# Altium PCB PCB.PcbDoc (part 3 of 7)
Units mil, origin at the board's own origin, x right, y up, seen from the top; angles counter-clockwise.
Board outline 3937.01 x 2165.35 mil, 6 copper layers (Top, PWR, Signal 1, Signal 2, GND, Bottom), stack 64.961 mil thick; 271 components, 335 nets, 1191 pads, 518 vias.
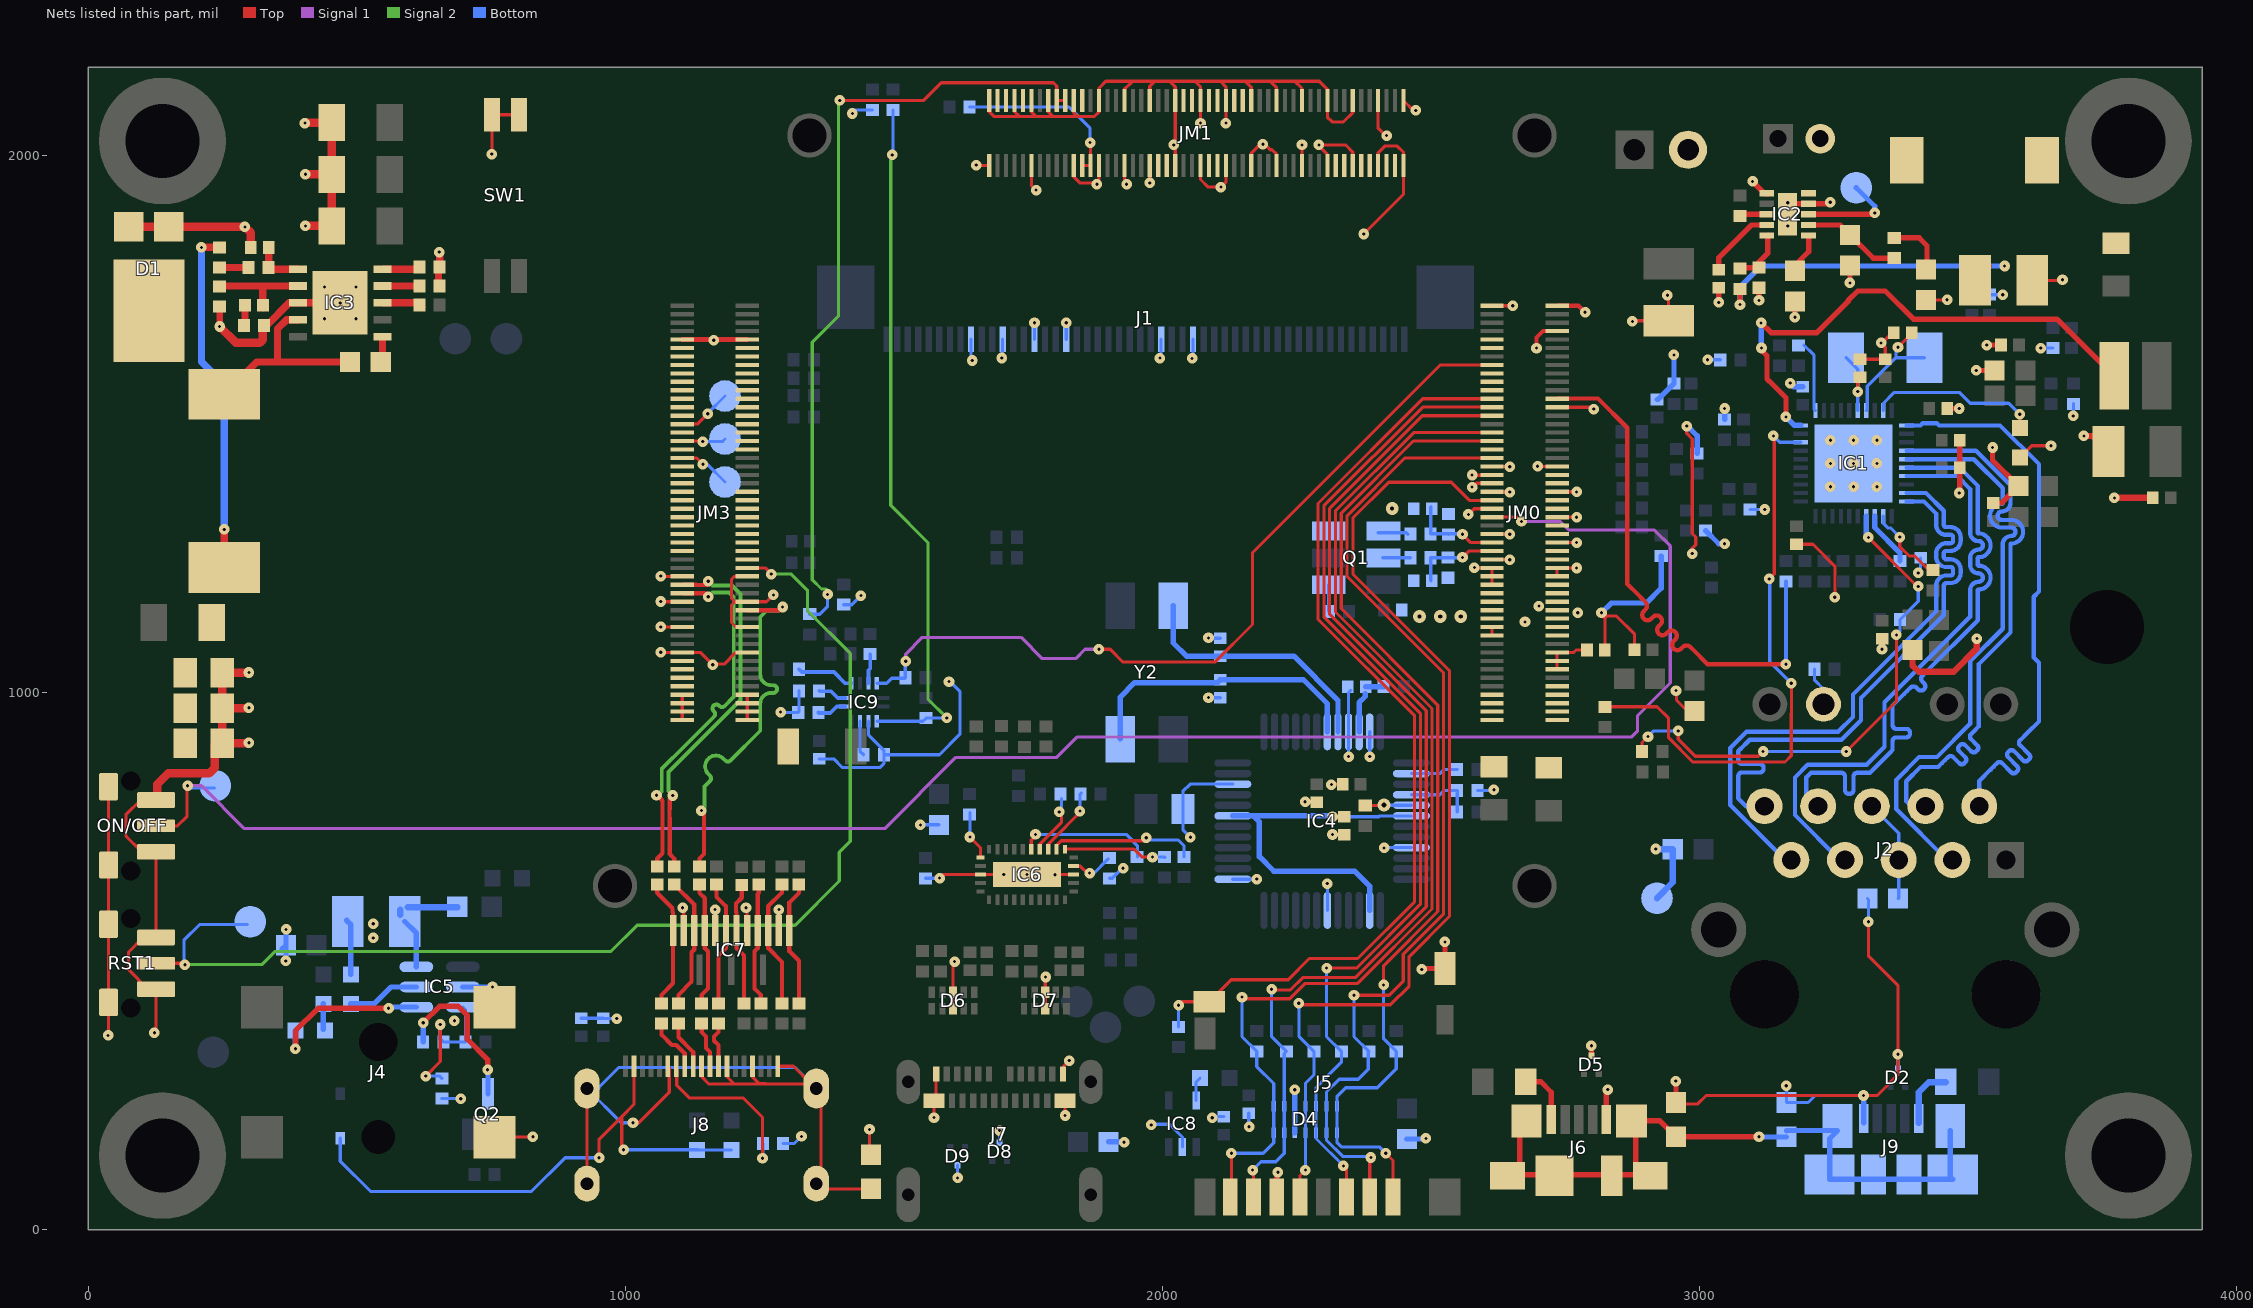
[diagram p7: the nets of this part, all layers, seen from the top]

## Via types
v1: diameter 19.68, hole 5.91, Top to Bottom, tented both sides, 378 vias
v2: diameter 19.68, hole 5.91, Top to Bottom, 128 vias
v3: diameter 23.62, hole 9.84, Top to Bottom, 7 vias
v4: diameter 23.62, hole 7.87, Top to Bottom, 5 vias

## Nets (pads, with @x,y where several pads share a name; then routed paths per layer and width w, separated by ;. In a path a pad name is that pad's centre, name@x,y a point inside that pad or via, vN(x,y) a via of type N, cw(c..) or ccw(c..) an arc to the next point about the centre after c; other vN are vias at no path point) (continued)
ENET_TRD0_P: IC1.1 J2.2 | length 1108
  Bottom w7.87: IC1.1@3385.89,1497.93 3412.11,1497.93 3416.12,1501.94 3442.28,1501.94 3446.29,1497.93 3560.38,1497.93 3632.61,1425.69 3632.61,1188.3 3623.03,1178.72 3623.03,1065.38 3632.61,1055.8 3632.61,946.59 3611.86,925.84 3597.3,911.28 ccw(c3601.76,906.83) 3597.3,902.37 3614.55,885.13 cw(c3610.09,880.67) 3614.55,876.22 3612.32,873.99 cw(c3607.87,878.45) 3603.41,873.99 3586.17,891.24 ccw(c3581.71,886.78) 3577.26,891.24 3575.03,889.01 ccw(c3579.49,884.56) 3575.03,880.1 3592.28,862.86 cw(c3587.82,858.4) 3592.28,853.95 3590.05,851.72 cw(c3585.6,856.17) 3581.14,851.72 3563.9,868.97 ccw(c3559.44,864.51) 3554.99,868.97 3548.31,862.28 3542.74,856.72 3521.46,835.43 J2.2@3521.46,788.58 J2.2@3521.46,777.92
ENET_TRD1_N: IC1.5 J2.3 | length 1106.2
  Bottom w7.87: IC1.5@3385.89,1434.93 3511.33,1434.93 3565.26,1381 3565.26,1353.42 cw(c3563.78,1353.42) 3563.78,1351.94 ccw(c3563.78,1329.8) 3563.78,1307.66 3581.01,1307.66 cw(c3581.01,1299.79) 3588.88,1299.79 cw(c3581.01,1299.79) 3581.01,1291.92 ccw(c3581.01,1276.17) 3565.26,1276.17 3565.26,1119.19 3504.61,1058.54 3504.61,996.19 3504.61,942.11 3442.61,880.11 3409.52,880.11 3366.81,837.4 3366.81,783.38 3461.6,688.58 J2.3@3471.46,688.58
ENET_TRD1_P: IC1.4 J2.4 | length 1106.2
  Bottom w7.87: IC1.4@3385.89,1450.68 3515.18,1450.68 3579.52,1386.33 3579.52,1353.42 cw(c3563.78,1353.42) 3563.78,1337.68 ccw(c3563.78,1329.8) 3563.78,1321.93 3581.01,1321.93 cw(c3581.01,1299.79) 3603.15,1299.79 cw(c3581.01,1299.79) 3581.01,1277.65 ccw(c3581.01,1276.17) 3579.52,1276.17 3579.52,1112.47 3520.76,1053.71 3520.76,996.19 3520.43,995.86 3520.43,936.95 3511.35,927.86 3506.1,922.62 ccw(c3510.55,918.16) 3506.1,913.71 3517.9,901.91 cw(c3513.45,897.45) 3517.9,893 3515.67,890.77 cw(c3511.22,895.23) 3506.77,890.77 3494.96,902.57 ccw(c3490.51,898.12) 3486.06,902.57 3483.83,900.35 ccw(c3488.28,895.89) 3483.83,891.44 3495.63,879.64 cw(c3491.18,875.18) 3495.63,870.73 3493.4,868.5 cw(c3488.95,872.95) 3484.49,868.5 3472.69,880.3 ccw(c3468.24,875.85) 3463.79,880.3 3457.1,873.62 3451.54,868.05 3444.98,861.5 3411.9,861.5 3385.42,835.03 3385.42,798.03 J2.4@3394.87,788.58 ; J2.4@3395.57,787.88 J2.4@3394.87,788.58 ; J2.4@3421.46,788.58 J2.4@3394.87,788.58
ENET_TRD2_N: IC1.7 J2.7 | length 1117.6
  Bottom w7.87: J2.7@3271.46,688.58 3261.6,688.58 3178.15,772.04 3178.15,842.16 3201.88,865.89 3311.8,865.89 3345.27,899.37 3345.27,943.85 3345.27,982.28 3504.61,1141.61 3504.61,1190.85 cw(c3520.35,1190.85) 3520.35,1206.59 ccw(c3520.35,1214.47) 3528.23,1214.47 ccw(c3520.35,1214.47) 3520.35,1222.34 cw(c3520.35,1238.09) 3504.61,1238.09 3504.61,1250.87 cw(c3520.35,1250.87) 3520.35,1266.62 ccw(c3520.35,1274.5) 3528.23,1274.5 ccw(c3520.35,1274.5) 3520.35,1282.37 cw(c3520.35,1298.12) 3504.61,1298.12 3504.61,1379.67 3480.83,1403.44 IC1.7@3385.89,1403.44
ENET_TRD2_P: IC1.6 J2.8 | length 1117.6
  Bottom w7.87: J2.8@3199.39,810.65 3199.39,842.4 3208.03,851.05 3247.88,851.05 3255.75,851.05 3264.41,851.05 cw(c3264.41,843.96) 3271.5,843.96 3271.5,818.76 ccw(c3278.59,818.76) 3278.59,811.68 3280.16,811.68 ccw(c3280.16,818.76) 3287.25,818.76 3287.25,843.96 cw(c3294.33,843.96) 3294.33,851.05 3302.99,851.05 3317.94,851.05 3323.51,856.62 3334.65,867.75 3345.78,878.89 3356.92,890.02 3360.12,893.22 3360.12,901.09 3360.12,909.75 cw(c3367.2,909.75) 3367.2,916.84 3385.41,916.84 ccw(c3385.41,923.93) 3392.5,923.93 3392.5,925.5 ccw(c3385.41,925.5) 3385.41,932.59 3367.2,932.59 cw(c3367.2,939.68) 3360.12,939.68 3360.12,943.85 3360.12,976.13 3382.27,998.28 3387.84,1003.85 3393.41,1009.42 cw(c3398.97,1003.85) 3404.54,1009.42 3407.48,1006.48 ccw(c3413.05,1012.05) 3418.62,1006.48 ccw(c3413.05,1012.05) 3418.62,1017.61 3415.68,1020.55 cw(c3421.24,1026.12) 3415.68,1031.69 3422.65,1038.66 3518.87,1134.88 3518.87,1190.85 cw(c3520.35,1190.85) 3520.35,1192.33 ccw(c3520.35,1214.47) 3542.49,1214.47 ccw(c3520.35,1214.47) 3520.35,1236.61 cw(c3520.35,1238.09) 3518.87,1238.09 3518.87,1250.87 cw(c3520.35,1250.87) 3520.35,1252.36 ccw(c3520.35,1274.5) 3542.49,1274.5 ccw(c3520.35,1274.5) 3520.35,1296.63 cw(c3520.35,1298.12) 3518.87,1298.12 3518.87,1385 3484.68,1419.19 IC1.6@3385.89,1419.19
ENET_TRD3_N: IC1.10 J2.9 | length 1107.3
  Bottom w7.87: J2.9@3171.46,688.58 3160.21,688.58 3057.84,790.96 3057.84,897.29 3087.84,927.29 3258.72,927.29 3286.32,954.9 3286.32,996.64 3441.24,1151.57 3441.24,1199.29 cw(c3460.38,1199.29) 3460.38,1218.43 3467.86,1218.43 ccw(c3467.86,1223.3) 3472.74,1223.3 3472.74,1229.3 ccw(c3467.86,1229.3) 3467.86,1234.18 3460.38,1234.18 cw(c3460.38,1253.31) 3441.24,1253.31 3441.24,1259.32 cw(c3460.38,1259.32) 3460.38,1278.46 3467.86,1278.46 ccw(c3467.86,1283.33) 3472.74,1283.33 3472.74,1289.33 ccw(c3467.86,1289.33) 3467.86,1294.2 3459.66,1294.2 cw(c3459.66,1312.63) 3441.24,1312.63 3441.24,1333.47 3418.51,1356.19 IC1.10@3385.89,1356.19
ENET_TRD3_P: IC1.9 J2.10 | length 1104.7
  Bottom w7.87: 3074.76,893.22 3093.99,912.45 3264.86,912.45 3301.16,948.75 3301.16,990.49 3455.51,1144.84 3455.51,1199.29 cw(c3460.38,1199.29) 3460.38,1204.16 3467.86,1204.16 ccw(c3467.86,1223.3) 3487,1223.3 3487,1229.3 ccw(c3467.86,1229.3) 3467.86,1248.44 3460.38,1248.44 cw(c3460.38,1253.31) 3455.51,1253.31 3455.51,1259.32 cw(c3460.38,1259.32) 3460.38,1264.19 3467.86,1264.19 ccw(c3467.86,1283.33) 3487,1283.33 3487,1289.33 ccw(c3467.86,1289.33) 3467.86,1308.47 3459.66,1308.47 cw(c3459.66,1312.63) 3455.51,1312.63 3455.51,1338.8 3422.36,1371.94 IC1.9@3385.89,1371.94 ; 3078.25,896.71 3072.68,891.14 3072.68,883.05 3072.68,874.39 ccw(c3079.77,874.39) 3079.77,867.3 3112.84,867.3 cw(c3112.84,860.21) 3119.92,860.21 3119.92,858.64 cw(c3112.84,858.64) 3112.84,851.55 3079.77,851.55 ccw(c3079.77,844.47) 3072.68,844.47 3072.68,835.8 3072.68,827.93 3072.68,803.3 3087.39,788.58 J2.10@3121.46,788.58
ENET_TXC: JM0.23 R27.1 | length 1049.7
  Top w7.87: JM0.23@2735.36,1547.48 2735.75,1547.88 2811.62,1547.88 2865.95,1493.54 2865.95,1202.63 2885.87,1182.71 2892.83,1175.75 2899.79,1168.79 cw(c2892.83,1161.83) 2899.79,1154.87 2896.69,1151.78 ccw(c2903.65,1144.82) 2896.69,1137.86 ccw(c2903.65,1144.82) 2910.61,1137.86 2913.71,1140.95 cw(c2920.67,1134) 2927.63,1140.95 cw(c2920.67,1134) 2927.63,1127.04 2924.53,1123.94 ccw(c2931.49,1116.98) 2924.53,1110.02 ccw(c2931.49,1116.98) 2938.45,1110.02 2941.55,1113.12 cw(c2948.51,1106.16) 2955.47,1113.12 cw(c2948.51,1106.16) 2955.47,1099.2 2952.37,1096.1 ccw(c2959.33,1089.14) 2952.37,1082.18 ccw(c2959.33,1089.14) 2966.29,1082.18 2969.38,1085.28 cw(c2976.34,1078.32) 2983.3,1085.28 2987.19,1081.39 3015.54,1053.04 v1(3161.48,1053.04)
  Bottom w7.87: v1(3161.48,1053.04) R27.1@3161.48,1207.38
FTDI_RST: IC4.4 R86.1 R87.2 | length 128.7
  Bottom w5.91: IC4.4@2463.95,810.07 2517.05,810.07 2525.03,818.05 R87.2@2549.16,818.05 R86.1@2549.16,777.9
GND: C1.1 C2.1 C3.1 C4.1 C5.1 C6.1 C7.1 C8.1 C9.1 C10.1 C11.1 C12.1 C13.2 C14.1 C15.1 C16.1 C17.1 C18.1 C19.1 C20.1 C21.1 C22.1 C23.2 C24.1 C25.1 C27.1 C28.1 C29.1 C30.1 C31.1 C32.1 C33.1 C34.1 C35.1 C36.1 C37.1 C38.2 C39.2 C40.2 C41.1 C42.1 C43.2 C44.2 C45.2 C65.1 C66.1 C67.1 C68.1 C75.1 C76.1 C77.1 C78.1 C79.1 C80.1 C81.1 C82.1 C83.1 C86.2 D1.A D2.3 D4.5 D4.10 D5.3 D6.3 D6.8 D7.3 D7.8 D8.3 D9.3 FAN1.2 FAN2.2 IC1.41 IC2.1 IC2.9 IC2.11 IC3.8 IC3.11 IC4.9 IC4.18 IC4.25 IC4.34 IC4.45 IC4.47 IC5.2 IC6.13 IC6.28 IC6.31 IC7.2 IC7.5 IC7.8 IC7.11 IC8.2 IC9.10 J1.9 J1.12 J1.15 J1.18 J1.27 J1.30 J4.2 J4.3 J5.6 J5.10 J6.5 J7.A1 J7.A12 J7.B1 J7.B12 J9.5 JM0.1 JM0.2 JM0.7 JM0.25 JM0.39 JM0.40 JM0.42 JM0.44 JM0.45 JM0.46 JM0.50 JM0.51 JM0.56 JM0.57 JM0.62 JM0.63 JM0.64 JM0.65 JM0.66 JM0.67 JM0.68 JM0.69 JM0.70 JM0.71 JM0.72 JM0.73 JM0.74 JM0.75 JM0.76 JM0.77 JM0.78 JM0.80 JM1.1 JM1.2 JM1.7 JM1.8 JM1.13 JM1.14 JM1.19 JM1.20 JM1.25 JM1.26 JM1.31 JM1.32 JM1.37 JM1.38 JM1.43 JM1.44 JM1.49 JM1.50 JM1.55 JM1.56 JM1.61 JM1.62 JM1.67 JM1.68 JM1.73 JM1.74 JM1.79 JM1.80 JM1.86 JM1.89 JM1.90 JM1.94 JM1.99 JM1.100 JM3.9 JM3.10 JM3.65 JM3.66 JM3.71 JM3.72 JM3.77 JM3.78 JM3.83 JM3.84 L9.2 L12.2 L13.2 ON/OFF.1 ON/OFF.3 ON/OFF.SH1 ON/OFF.SH2 Q1.3 R10.1 R11.1 R12.1 R13.1 R14.1 R20.1 R21.1 R22.1 R23.1 R24.1 R37.2 R55.1 R57.2 R73.1 R83.1 R84.1 R87.1 R96.1 R105.1 R106.1 R114.1 R115.1 R116.1 R120.1 R124.1 R125.1 R127.1 RST1.1 RST1.3 RST1.SH1 RST1.SH2 SW1.2 SW1.4 TP5.1 | length 13704.5
  Top w5.91: v1(36.53,361.69) 37.4,362.56 RST1.SH2@37.4,423.23 RST1.SH1@37.4,568.9 ON/OFF.SH2@37.4,679.13 37.4,812.52 ON/OFF.SH1@45.58,820.7 ; v1@125.98,365.55 RST1.1@125.98,447.83 110.69,447.83 74.67,483.86 74.67,517.22 101.74,544.29 RST1.3@125.98,544.29 ON/OFF.1@125.98,703.74 98.96,703.74 69.63,733.07 69.63,772.72 97.11,800.2 ON/OFF.3@125.98,800.2 ; 417.08,1726.02 v1(468.83,1726.02) ; v1(750.98,2003.21) 751.58,2003.8 SW1.4@751.58,2076.33 SW1.2@801.58,2076.33 ; J4.2@756.22,172.28 826.92,172.28 v1(827.68,173.05) ; v2(1065.81,1075.44) 1066.21,1075.04 JM3.84@1105.83,1075.04 1139.66,1075.04 v2(1162.57,1052.13) 1163.73,1053.3 1184.15,1053.3 1205.89,1075.04 JM3.83@1227.09,1075.04 ; v2(1065.81,1122.68) 1066.21,1122.28 JM3.78@1105.83,1122.28 ; v2(1065.81,1169.93) 1066.21,1169.53 JM3.72@1105.83,1169.53 ; v2(1065.81,1217.17) 1066.21,1216.77 JM3.66@1105.83,1216.77 ; v1(1106.57,599.5) 1108.54,597.53 IC7.11@1108.54,557.17 ; v1(1167,596) 1166.07,596 1165.63,595.56 1167.6,593.59 IC7.8@1167.6,557.17 ; v1(1224.68,599.5) 1226.65,597.53 IC7.5@1226.65,557.17 ; JM3.77@1227.09,1122.28 1206.11,1122.28 1197.56,1130.83 1197.56,1163.45 1203.64,1169.53 ; JM3.65@1227.09,1216.77 1203.31,1216.77 1197.56,1211.02 1197.56,1175.61 1203.64,1169.53 ; v2(1275.57,1182.28) 1262.82,1169.53 JM3.71@1227.09,1169.53 1203.64,1169.53 ; IC7.2@1285.71,557.17 1285.71,593.59 1287.68,595.56 1287.23,596 v1(1286,596) ; v2(1454.65,186.79) 1454.92,186.51 1454.92,142.6 L13.2@1457.62,139.91 ; v1(1574.8,208.66) J7.B12@1574.8,240.16 1578.74,244.09 J7.A1@1578.74,290.16 ; v1(1585.24,654.66) 1592.01,661.42 IC6.13@1661.42,661.42 v1(1704.72,661.42) v1(1748.03,661.42) IC6.31@1791.34,661.42 ; D6.3@1610.19,411.52 D6.8@1610.19,441.84 1610.19,496.16 v2(1613.21,499.19) ; v1(1653.54,1982.73) 1654.54,1981.73 JM1.99@1677.48,1981.73 ; JM1.100@1677.48,2102.99 1677.48,2082.01 1686.03,2073.46 1733.27,2073.46 ; JM1.94@1724.73,2102.99 1724.72,2082.01 1733.27,2073.46 ; JM1.89@1756.22,1981.73 1756.22,1944.74 v1(1764.92,1936.04) ; JM1.90@1756.22,2102.99 1756.22,2082.01 1764.77,2073.46 ; D7.3@1781.82,411.52 D7.8@1781.82,441.84 1781.82,469.75 v2(1782.57,470.5) ; JM1.86@1787.72,2102.99 1787.72,2082.01 1796.27,2073.46 ; v1(1800,661) 1791.76,661 IC6.31@1791.34,661.42 ; J7.A12@1814.96,290.16 1814.96,303.15 v1(1826.77,314.96) ; v1(1818.9,212.6) J7.B1@1818.9,240.16 ; IC6.28@1834.65,661.42 IC6.31@1791.34,661.42 ; JM1.79@1834.96,1981.73 1834.96,1960.75 1846.27,1949.45 v1@1882.2,1949.45 ; JM1.80@1834.96,2102.99 1834.96,2080.51 1841.16,2074.31 1842.67,2074.31 1843.51,2073.46 ; v1(1878.27,1947.07) 1879.83,1947.07 v1@1882.21,1949.45 ; JM1.73@1882.21,1981.73 v1@1882.21,1949.45 ; v1@1926.22,673.79 v1(1926.88,673.13) ; JM1.67@1929.45,1981.73 1929.45,1949.45 1931.82,1947.07 v1(1933.39,1947.07) ; JM1.68@1929.45,2102.99 1929.45,2123.97 1938,2132.52 1938.78,2132.52 1945.2,2138.93 ; v1(1976.69,1949.45) JM1.61@1976.69,1981.73 ; JM1.62@1976.69,2102.99 1976.69,2129.56 1986.07,2138.93 ; JM1.55@2023.94,1981.73 2023.94,2017.6 v1(2021.22,2020.32) 2023.94,2023.03 2023.94,2128.78 2013.79,2138.93 ; JM1.49@2071.18,1981.73 2071.18,1955.87 2085.32,1941.73 v1(2109.19,1941.73) 2118.43,1950.97 JM1.43@2118.43,1981.73 ; v1(2071.13,2060.86) 2071.18,2060.9 2071.18,2128.55 2060.79,2138.93 ; v1@2118.51,2059.96 2118.42,2060.05 2118.42,2128.78 2108.28,2138.93 ; JM1.37@2165.67,1981.73 2165.67,2004.57 2182.73,2021.63 v1(2187.34,2021.63) 2190.67,2021.63 2201.04,2011.26 2204.36,2011.26 2212.91,2002.71 JM1.31@2212.92,1981.73 ; JM1.38@2165.67,2102.99 2165.67,2127.66 2154.39,2138.93 ; JM1.32@2212.91,2102.99 2212.91,2126.62 2200.6,2138.93 ; JM1.25@2260.16,1981.73 v1@2260.16,2016.38 ; JM1.26@2260.16,2102.99 2260.16,2125.59 2246.81,2138.93 ; v2(2266,797) 2266.76,796.24 C81.1@2287.77,796.24 ; v1@2291.65,2018.27 2298.66,2011.26 2298.85,2011.26 2307.4,2002.71 JM1.19@2307.4,1981.73 ; v1(2291.65,2020.32) 2341.22,2020.32 2354.65,2006.89 JM1.13@2354.65,1981.73 ; v2(2315,829) 2315.75,829.75 C80.1@2335.75,829.75 ; v2(2317,736) 2317.73,735.27 C39.2@2339,735.27 ; JM1.14@2354.65,2102.99 2354.65,2080.42 2337.36,2063.13 2316.15,2063.13 2307.4,2071.88 2307.4,2123.97 2292.44,2138.93 2246.81,2138.93 ; v1(2375.3,1854.35) 2449.13,1928.18 2449.13,2006.67 2437.66,2018.15 2414.23,2018.15 2401.89,2005.81 JM1.7@2401.89,1981.73 ; JM1.8@2401.89,2102.99 2401.89,2051.44 2415.72,2037.61 v1(2417.64,2037.61) ; JM1.2@2449.13,2102.99 2467.46,2084.67 v1(2472.02,2084.67) ; v2(2570,1332.06) 2580.69,1342.76 JM0.50@2614.1,1342.76 ; v2(2577,1383) 2578,1383 2585,1390 JM0.44@2614.1,1390 ; v2@2578.1,1405.5 2578.59,1405 JM0.42@2611,1405 ; v2(2581.19,1233.02) 2581.69,1232.52 JM0.64@2614.1,1232.52 JM0.66@2614.1,1216.77 JM0.68@2614.1,1201.02 ; JM0.80@2614.1,1106.54 JM0.78@2614.1,1122.28 ; JM0.62@2614.1,1248.27 2646.5,1248.27 v2(2647,1247.77) ; JM0.46@2614.1,1374.25 2646.5,1374.25 v2(2647,1373.76) ; JM0.40@2614.1,1421.5 2646.5,1421.5 v2(2647,1421) ; JM0.2@2614.1,1720.71 v1(2652.78,1720.71) ; v2@2646.04,1295.51 JM0.56@2614.1,1295.51 2646.5,1295.51 v2(2647,1295.02) ; v2(2699.06,1421.74) 2699.3,1421.5 JM0.39@2735.36,1421.5 ; JM0.65@2735.36,1216.77 JM0.63@2735.36,1232.52 2771.41,1232.52 v2(2771.65,1232.28) ; JM0.57@2735.36,1279.76 2771.41,1279.76 v2(2771.65,1279.53) ; JM0.51@2735.36,1327.01 2771.41,1327.01 v2(2771.65,1326.77) ; JM0.25@2735.36,1531.73 2799.92,1531.73 v1(2803.46,1528.19) ; v2@2767.72,1378.95 2763.02,1374.25 JM0.45@2735.36,1374.25 2771.41,1374.25 v2(2771.65,1374.01) ; C23.2@2824.35,1079.56 2824.35,1142.41 2824.08,1142.68 2845.87,1142.68 2879.53,1109.02 C20.1@2879.53,1079.94 ; v1(2875.59,1691.58) 2876.82,1692.81 C24.1@2942.98,1692.81 2942.98,1738.07 v1(2940.74,1740.31) ; L9.2@2956.69,236.81 2959.25,234.25 2997.41,234.25 3013.06,249.91 v1(3305.93,249.91) 3331.66,249.91 3370.06,288.3 v1(3370.06,326.58) 3370.06,454.92 3315.03,509.95 v1(3315.03,573.51) ; v1(2956.69,1003.94) 2957.55,1003.08 2957.55,986.28 2977.89,965.94 C19.1@2991.23,965.94 ; v1(2976.69,1496.69) 2976.69,1482.95 2987.1,1472.54 2987.1,1296.56 2993.54,1290.12 2993.54,1275.44 2987.1,1269 v1(2987.1,1259.07) ; C4.1@3181.17,1276.47 3211.91,1276.47 3252.68,1235.7 3252.68,1178.2 v1(3252.28,1177.8) ; C8.1@3299.28,1620.96 C7.1@3346.52,1620.96 3346.52,1643.6 v1@3339.62,1650.5 ; v1(3340.42,1080.91) 3340.69,1081.18 C18.1@3340.69,1100.83 ; v1@3342.14,1653.01 3359.33,1670.2 C9.1@3362.38,1670.2 ; C35.1@3422.31,1731.22 3461.13,1731.22 v1(3461.68,1731.77) ; R37.2@3597.17,1438.05 3619.15,1460.03 v1(3655.12,1460.03) ; C25.1@3620.05,1768.04 3675.32,1768.04 v1(3676.52,1769.23) ; 1733.27,2073.46 1764.77,2073.46 ; 1764.77,2073.46 1796.27,2073.46 ; 1796.27,2073.46 1843.51,2073.46 ; 1843.51,2073.46 1873.66,2073.46 1882.2,2082.01 1882.2,2126.18 1894.96,2138.93 1945.2,2138.93 ; 1945.2,2138.93 1986.07,2138.93 ; 1986.07,2138.93 2013.79,2138.93 ; 2013.79,2138.93 2060.79,2138.93 ; 2060.79,2138.93 2108.28,2138.93 ; 2108.28,2138.93 2154.39,2138.93 ; 2154.39,2138.93 2200.6,2138.93 ; 2200.6,2138.93 2246.81,2138.93
  Top w7.87: v2(2696.85,1641.73) 2696.85,1661.42 2708.9,1673.47 JM0.7@2735.36,1673.47 ; JM0.1@2735.36,1720.71 2775.35,1720.71 v2(2787.4,1708.66)
  Top w9.84: JM3.10@1105.83,1657.72 JM3.9@1227.09,1657.72 ; J5.6@2213.15,60.65 2213.15,104.7 v1(2215.32,106.87) ; v1(2483.03,484.82) 2484.61,486.39 J5.10@2526.54,486.39 2526.54,535.8 v1(2526.34,536) ; D5.3@2799.21,323.82 v1(2799.21,342.52) ; J6.5@2826.77,207.2 2826.77,255.91 2829.66,258.8 v1(2829.66,260.86) ; v1(2956.28,276.74) 2956.69,276.32 L9.2@2956.69,236.81 ; v1(3036.49,1726.85) C28.1@3036.49,1755.39 ; v1(3099.48,1952.25) 3122.74,1928.99 IC2.1@3127.44,1928.99 ; v1(3111.29,1730.79) R55.1@3111.29,1755.2 ; IC2.11@3166.41,1899.1 3177.92,1910.6 3241.31,1910.6 v2(3244.09,1913.39) ; v1(3178.22,1699.29) C29.1@3178.22,1729.8 ; v1(3280.58,1763.27) C33.1@3280.58,1795.75 ; C1.1@3461.68,1529.42 v1(3484.32,1529.42) ; v1(3484.32,1371.94) 3485.3,1372.93 C5.1@3485.3,1418.73 C6.1@3485.3,1470.37 ; v1(3515.81,1600.29) C15.1@3550.26,1600.29 ; v1(3535.5,1647.53) C16.1@3562.07,1647.53 ; v1(3546.26,1456.69) 3546.26,1433.03 C21.1@3594.55,1384.74 3563.06,1353.24 C22.1@3547.31,1353.24
  Top w11.81: v1(244.22,1682.14) C36.1@244.22,1721.16 ; v1(2817.91,1148.85) v1@2824.08,1142.68 ; C17.1@3397.33,1079.56 3397.33,1050.49 3408.62,1039.2 3473.81,1039.2 3517.02,1082.42 v1(3517.02,1100.83) ; v1(3716.51,1478.25) 3733.14,1478.25 C10.1@3762.17,1449.22 ; v1(3773.11,1362.97) C11.1@3844.83,1362.96
  Top w13.78: C34.1@324.96,1683.62 331.64,1683.62 374.04,1726.02 IC3.8@390.09,1726.02 417.08,1726.02 ; C27.1@652.02,1757.52 652.02,1790.79 R57.2@654.18,1792.95 654.18,1819.79 v1(653.43,1820.54)
  Top w15.75: D1.A@75.33,1867.55 D1.A@149.33,1867.55 v1(291.47,1867.55) 302.45,1856.58 R114.1@302.45,1829.19 ; ON/OFF.3@125.98,800.2 127.78,801.99 127.78,829.23 148.4,849.85 224.93,849.85 235.17,860.09 C75.1@235.17,904.99 ; v1(244.22,1682.14) 274.54,1651.82 319.43,1651.82 324.96,1657.35 C34.1@324.96,1683.62 ; v1@298.09,906 C75.1@249.32,906 C76.1@249.32,971.35 ; v1@298.09,971.35 C76.1@249.32,971.35 ; v1@298.09,1036.9 C77.1@249.32,1036.9 C76.1@249.32,971.35 ; v1(403.16,2060.86) 403.95,2061.65 C30.1@452.72,2061.65 C31.1@452.72,1965.52 ; v1(403.95,1869.4) C32.1@452.72,1869.4 C31.1@452.72,1965.52 ; v1(403.95,1965.52) C31.1@452.72,1965.52
  Bottom w5.91: R116.1@658.09,244.1 692.78,244.1 v1(693.22,243.65) ; C66.1@917.78,393.74 C65.1@958.94,393.74 959.68,393 v2(984,393) ; v2(1289.04,963.8) 1289.62,963.22 R125.1@1321.99,963.22 1323.17,964.4 R124.1@1323.17,1003.58 ; R120.1@1293.87,160.73 1314.99,160.73 v1(1327.96,173.71) ; C86.2@1361.03,876.7 1388.23,876.7 1404.37,860.56 1474.02,860.56 1481.37,867.91 R127.1@1481.37,884.46 ; R115.1@1406.78,1163.93 1421.71,1163.93 v2(1438.59,1180.81) ; v2(1422.76,2078.74) 1429.51,2085.49 R96.1@1460.36,2085.49 ; IC9.10@1452.56,946.85 1452.56,921.93 1481.37,893.13 R127.1@1481.37,884.46 ; v2(1549.37,753.94) 1549.47,754.03 C43.2@1583.86,754.03 ; R83.1@1559.05,654.33 1584.92,654.33 v1(1585.24,654.66) ; v2(1602.66,1020.66) 1604.82,1020.66 1623.07,1002.42 1623.07,922.46 1585.07,884.46 R127.1@1481.37,884.46 ; D9.3@1618.59,119.93 1618.59,96.39 v2(1618.68,96.29) ; J1.9@1643.82,1658.23 1643.82,1620.9 v1(1645.98,1618.74) ; D8.3@1696.87,162.09 v2@1696.87,175.04 ; v1(1700.84,1623.39) 1702.61,1625.16 J1.12@1702.61,1658.94 ; J1.15@1761.93,1680.14 J1.15@1761.93,1658.23 v1(1761.94,1688.95) ; J1.18@1820.98,1658.23 v1(1820.99,1688.95) ; R84.1@1901.57,654.33 1906.77,654.33 1925.57,673.13 v1(1926.88,673.13) ; v1(1979.24,195) 1980.59,196.35 2013.67,196.35 2037.41,172.61 IC8.2@2037.41,153.98 ; v1(1995.61,1623.21) 1997.38,1624.98 J1.27@1997.38,1658.76 ; v1(2052.41,730.89) 2038.39,744.92 2038.39,816.37 2051.77,829.75 IC4.34@2131.27,829.75 ; v1(2055.43,1622.68) 2057.2,1624.45 J1.30@2057.2,1658.23 ; v2(2086,991) 2086.47,990.53 C78.1@2108.09,990.53 ; v2(2086,1102) 2086.47,1101.53 C79.1@2108.09,1101.53 ; v1(2092.93,208.43) 2094.94,210.43 C67.1@2114.64,210.43 ; IC4.25@2131.27,652.59 2175.59,652.59 v2(2176,653) ; C68.1@2160.82,216.84 2160.82,192.53 v1(2161.57,191.78) ; v1(2307.05,644.56) 2307.45,644.16 IC4.18@2307.45,594.52 ; v2(2347,881) 2346.82,881.18 IC4.45@2346.82,927.2 2346.82,1000.19 2350.92,1004.28 C38.2@2351.22,1004.28 ; IC4.47@2386.19,927.2 2386.19,881.18 v2(2386.37,881) ; v1(2413.18,710.99) 2413.84,711.64 IC4.9@2463.95,711.64 ; R87.1@2586.95,818.05 2616.1,818.05 v1(2617.46,819.41) ; v1(3015.54,1620.03) R21.1@3039.15,1620.03 ; R12.1@3094.55,1341.23 v1(3122.11,1341.23) ; v2(3162,268) 3162.67,267.33 L12.2@3162.67,236.81 3202.84,236.81 3215.94,249.91 v1(3305.93,249.91) ; C12.1@3313.46,616.54 3315.03,614.97 v1(3315.03,573.51) ; v1(3370.06,326.58) v1(3370.06,326.58) D2.3@3370.11,299.53 ; v1(3407.93,1223.23) 3412.35,1227.65 C2.1@3412.35,1251.17 ; R23.1@3540.42,1741.28 v1@3565.24,1741.28 ; v1(3636.03,1641.95) 3636.16,1641.83 R24.1@3658.85,1641.83 ; v1(3696.59,1515.61) 3697.29,1516.31 R22.1@3697.29,1538.09
  Bottom w9.84: C41.1@361.12,523.08 C41.1@367.72,529.68 ; v2(367.54,500.56) 367.72,500.74 C41.1@367.72,529.68 ; v2(368.06,559.33) 367.72,558.98 C41.1@367.72,529.68 ; C40.2@480.79,575.99 C40.2@482.76,574.02 488.66,568.12 R73.1@488.66,475.54 ; IC5.2@697.32,451.98 v1(752.44,451.98) ; C42.1@1899.92,163.63 1928.15,163.63 v1(1928.92,162.86) ; D4.5@2246.81,180.69 D4.10@2246.81,229.9 v1(2246.81,260.41) ; C37.1@2455.47,168.87 2489.92,168.87 v1(2490.91,169.86) ; v1(2817.91,1148.85) 2836.28,1167.22 2901.64,1167.22 2929.2,1194.78 R14.1@2929.2,1254.62 ; C14.1@2921.33,1546.15 2923.1,1546.15 R10.1@2952.82,1575.88 v1(2952.82,1629.12) ; v1@2983.98,1490.67 2996.13,1478.52 R11.1@2996.13,1445.96 ; R13.1@3011.88,1301.86 3036.29,1277.45 v1(3047.31,1277.45) ; R20.1@3047.31,1508.95 v1(3047.31,1529.42) ; v1(3169.35,1576.66) 3176.24,1569.78 C3.1@3192.98,1569.78 ; v1(3305.93,249.91) 3306.35,249.49 J9.5@3306.35,207.2 J9.5@3306.35,198.64